# Altium PCB PCB1.PcbDoc
Units mm, origin at the board's own origin, x right, y up, seen from the top; angles counter-clockwise.
Board outline 84 x 84 mm, 2 copper layers (Top Layer, Bottom Layer); 103 components, 81 nets, 322 pads, 64 vias.
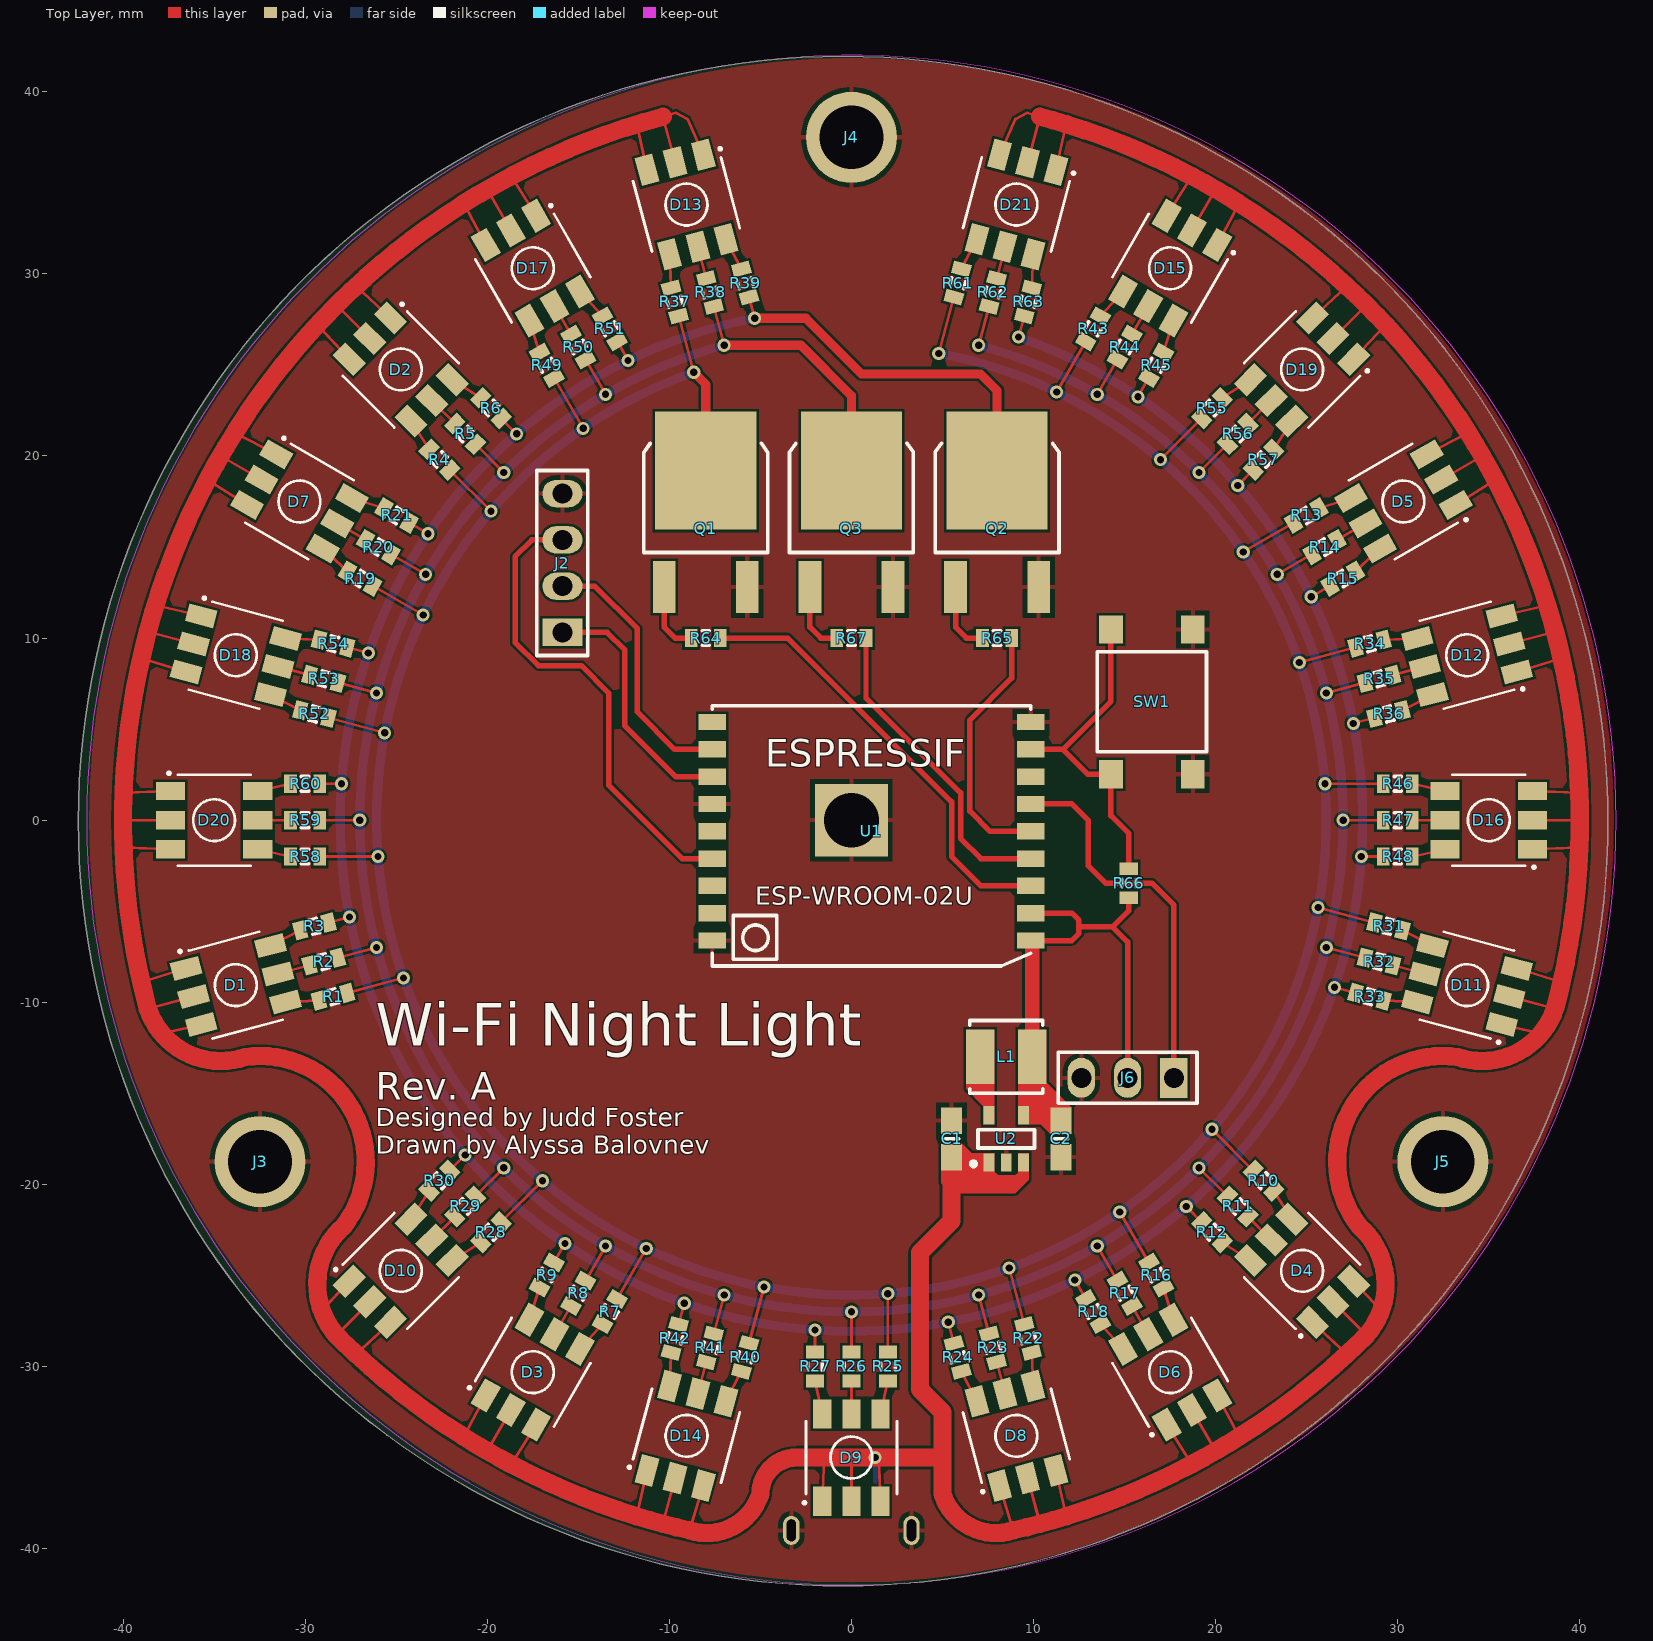
[diagram p0: Top Layer view]
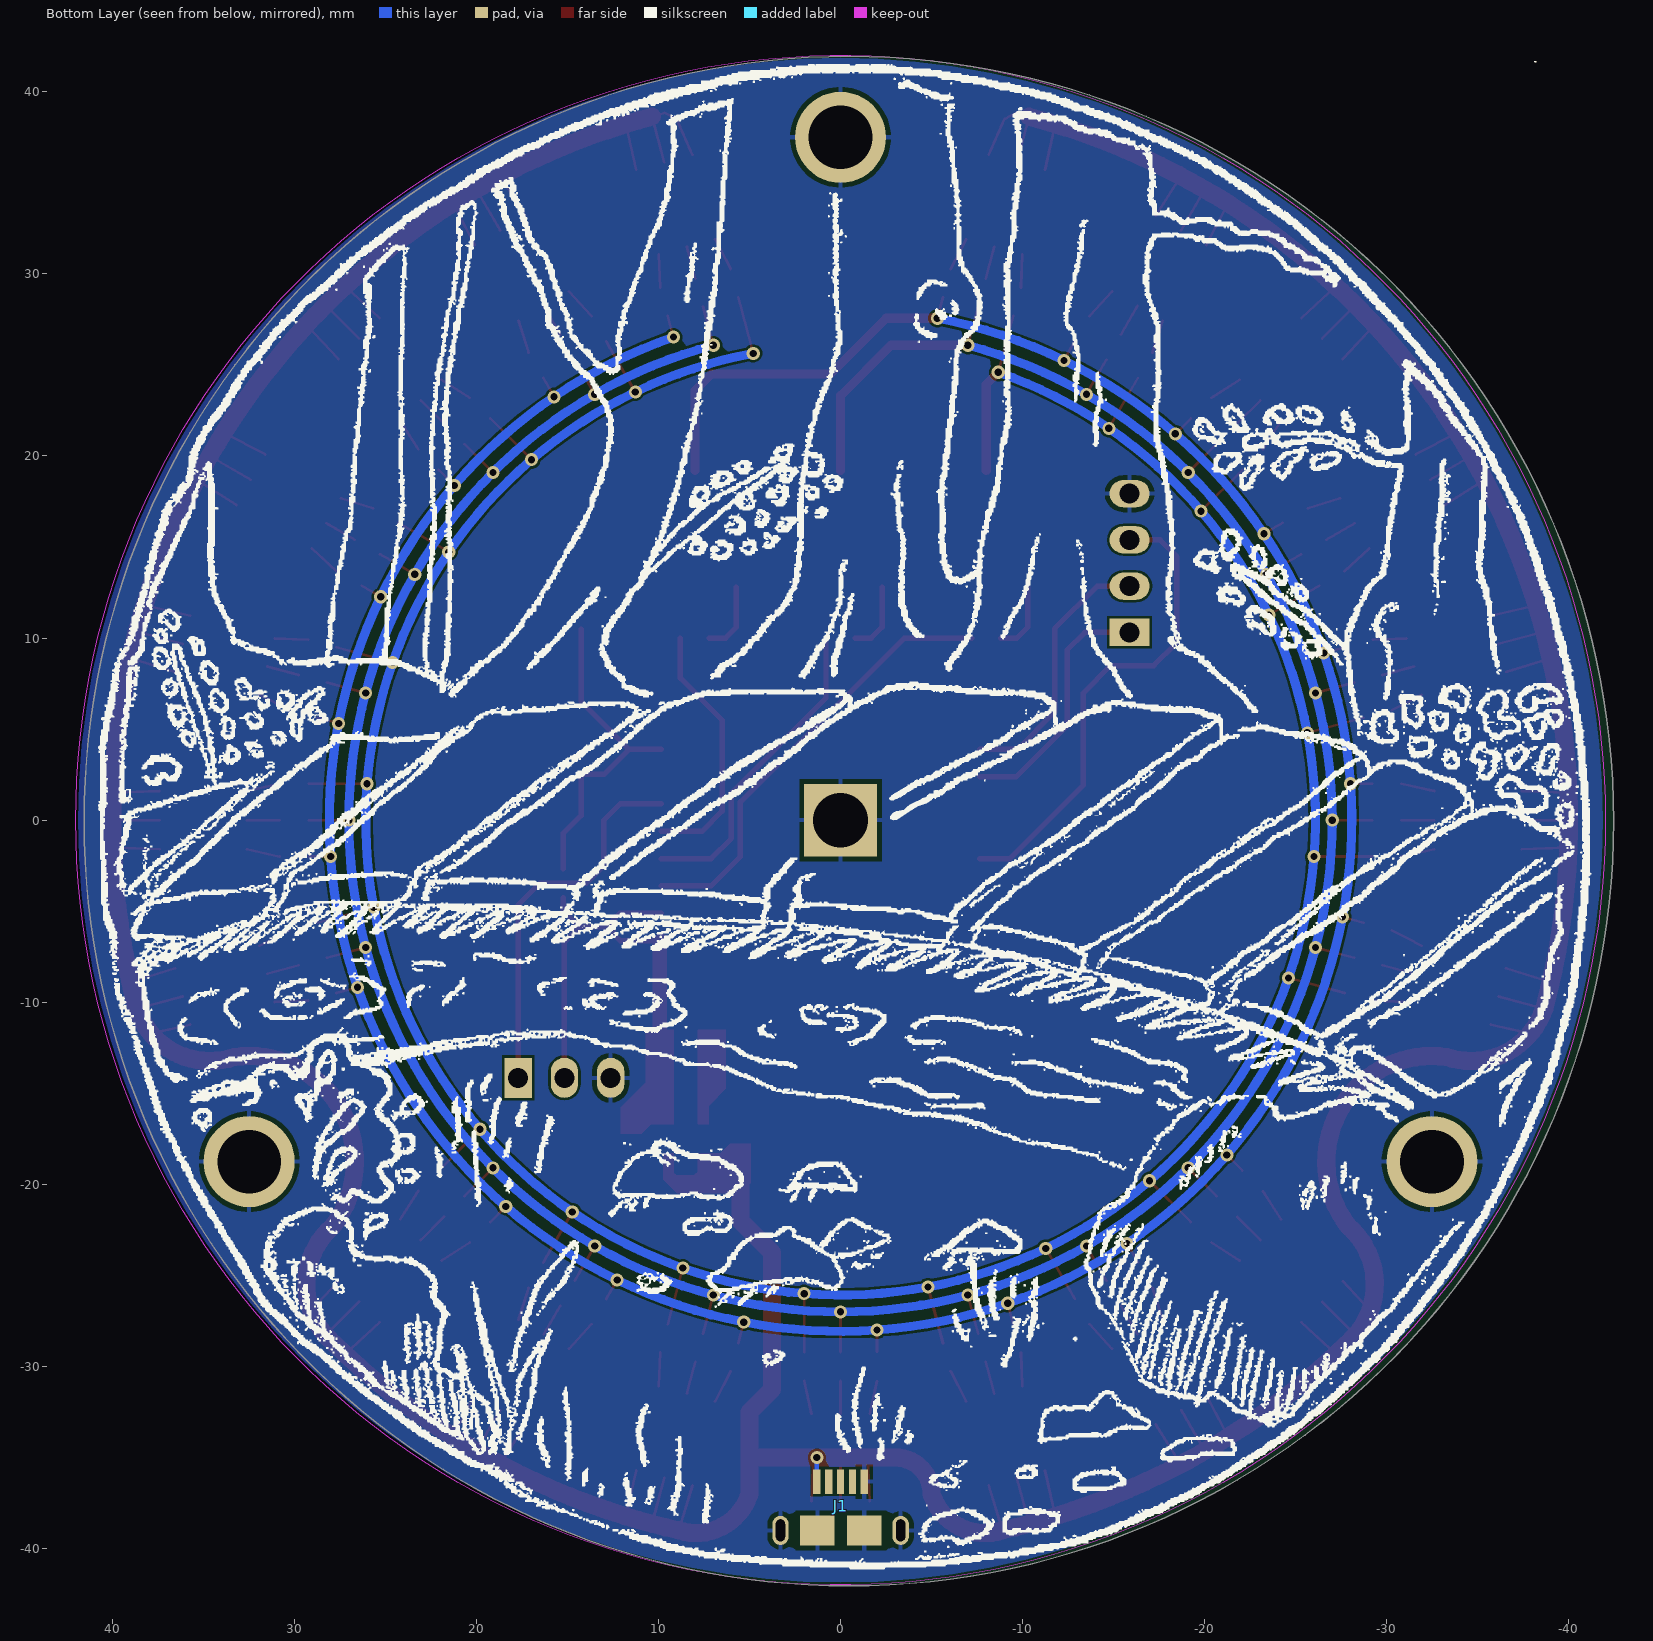
[diagram p1: Bottom Layer view, seen from below]
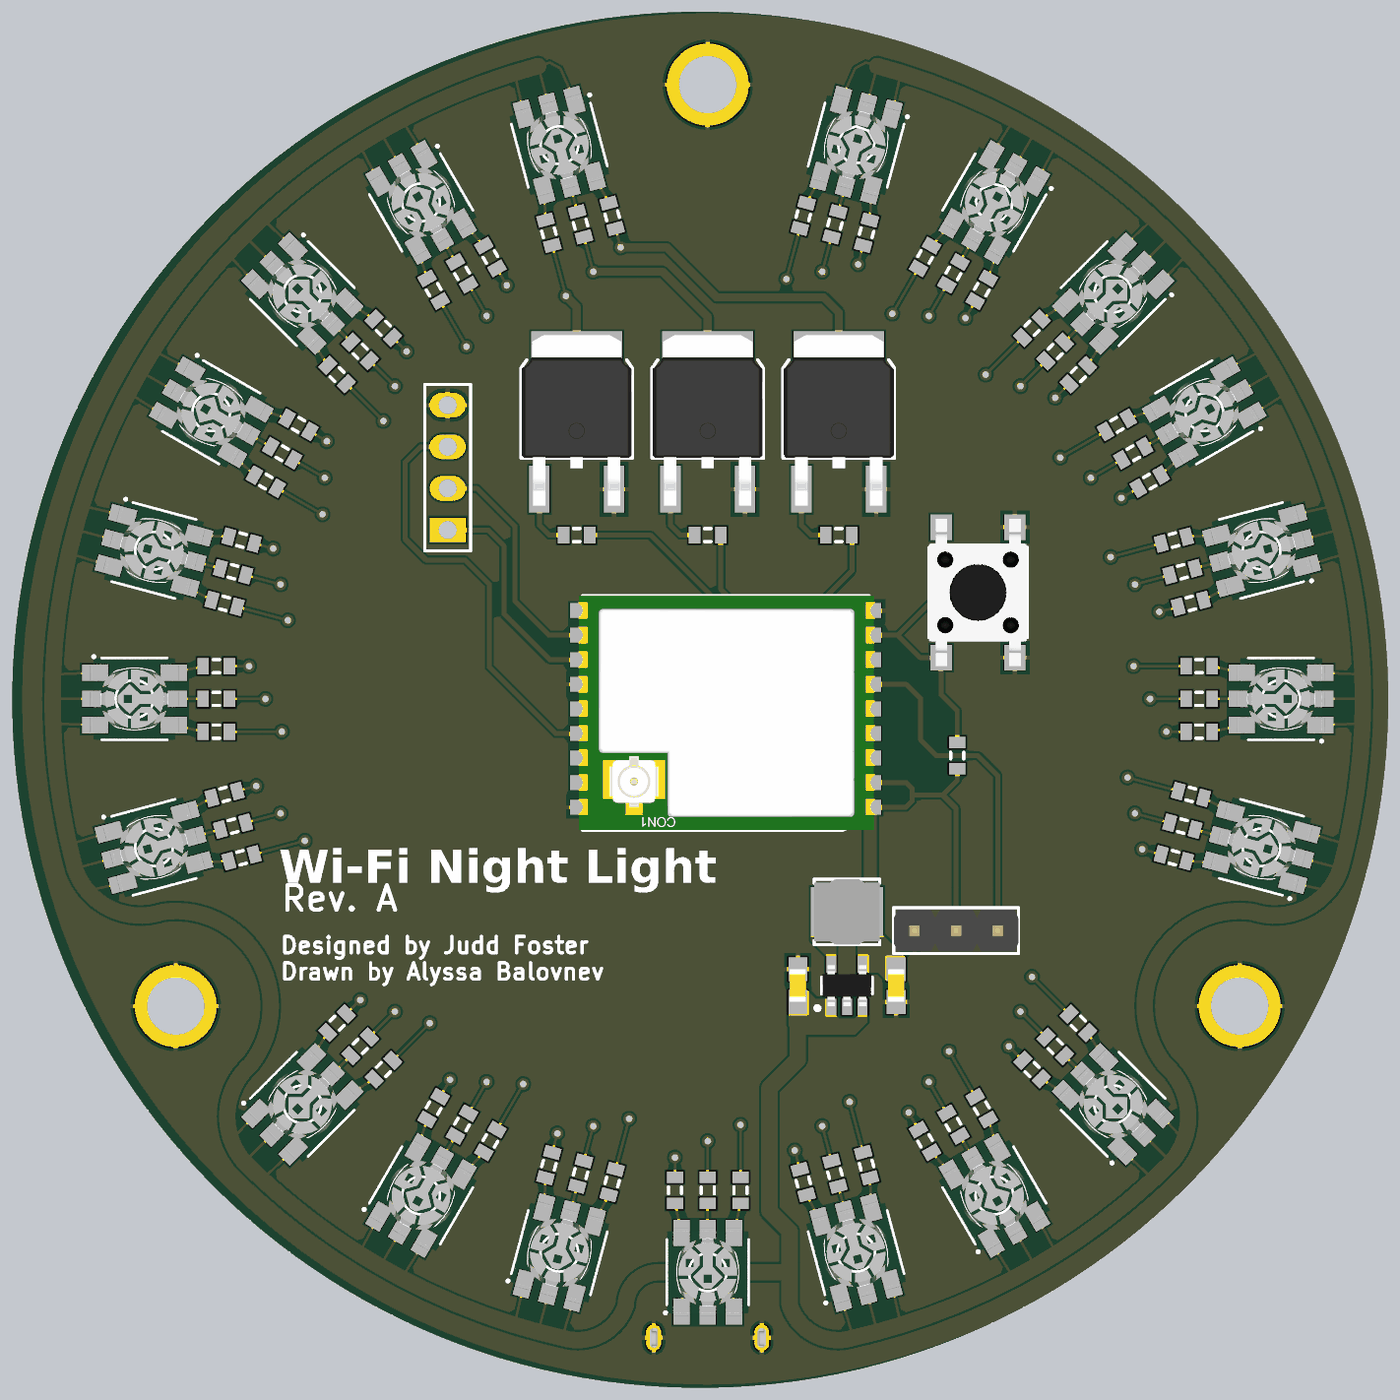
[diagram p2: 3D render of the assembled board from above, using the file's embedded part models]

## Layer stack, top to bottom
Top Solder: solder mask 0.0102, Solder Resist, Dk 3.5
Top Layer: signal copper 0.0356
Dielectric 1: dielectric 0.32, FR-4, Dk 4.8
Bottom Layer: signal copper 0.0356
Bottom Solder: solder mask 0.0102, Solder Resist, Dk 3.5

## Board outline
41.543,-0.051 cw(c-0.457,-0.051) -0.457,-42.051 cw(c-0.457,-0.051) -42.457,-0.051 cw(c-0.457,-0.051) -0.457,41.949 cw(c-0.457,-0.051)

## Design rules (kind name [scope] priority, off if disabled: settings)
Clearance [All] p1: gap=0.127 ignorepadtopadclearanceinfootprint=FALSE except(0: Arc-Hole Track-Hole SMDPad-Hole THPad-Hole Via-Hole Fill-Hole Poly-Hole Region-Hole Text-Hole)
HoleSize [All] p1: absolutevalues=TRUE maxlimit=6.3 minlimit=0.025 maxpercent=80.000 minpercent=20.000
MinimumSolderMaskSliver [All] p1: minsoldermaskwidth=0
PolygonConnect [All] p1: connectstyle=Relief reliefconductorwidth=0.254 reliefentries=4 polygonreliefangle="90 Angle" airgapwidth=0.254
RoutingVias [All] p1: holewidth=0.4 width=0.72 viastyle="Through Hole" minholewidth=0.2 minwidth=0.36 maxholewidth=6.3 maxwidth=10
SilkToSolderMaskClearance [IsPad] p1: minsilkscreentomaskgap=0.001 clearancetoexposedcopper=TRUE
SolderMaskExpansion [All] p1: expansion=0.102 istentingtop=FALSE
Width [All] p1: maxlimit=10 minlimit=0.127 preferedwidth=0.254
27 further rules are at their usual default settings.

## Components (designator, comment, footprint, x,y, rotation, side; value= is the part's Value field where it differs from the comment)
C1 "4.7uF" Cap,SMD,0805 5.5,-17.5 r270 top
C2 "10uF" Cap,SMD,0805 11.5,-17.5 r90 top
D1 "MHP5050RGBDT" LED,RGB,SMD,5050 -33.807,-9.059 r15 top locked
D2 "MHP5050RGBDT" LED,RGB,SMD,5050 -24.749,24.749 r315 top
D3 "MHP5050RGBDT" LED,RGB,SMD,5050 -17.5,-30.311 r60 top locked
D4 "MHP5050RGBDT" LED,RGB,SMD,5050 24.749,-24.749 r135 top
D5 "MHP5050RGBDT" LED,RGB,SMD,5050 30.311,17.5 r210 top locked
D6 "MHP5050RGBDT" LED,RGB,SMD,5050 17.5,-30.311 r120 top
D7 "MHP5050RGBDT" LED,RGB,SMD,5050 -30.311,17.5 r330 top locked
D8 "MHP5050RGBDT" LED,RGB,SMD,5050 9.059,-33.807 r105 top locked
D9 "MHP5050RGBDT" LED,RGB,SMD,5050 0,-35 r90 top
D10 "MHP5050RGBDT" LED,RGB,SMD,5050 -24.749,-24.749 r45 top locked
D11 "MHP5050RGBDT" LED,RGB,SMD,5050 33.807,-9.059 r165 top
D12 "MHP5050RGBDT" LED,RGB,SMD,5050 33.807,9.059 r195 top locked
D13 "MHP5050RGBDT" LED,RGB,SMD,5050 -9.059,33.807 r285 top
D14 "MHP5050RGBDT" LED,RGB,SMD,5050 -9.059,-33.807 r75 top locked
D15 "MHP5050RGBDT" LED,RGB,SMD,5050 17.5,30.311 r240 top
D16 "MHP5050RGBDT" LED,RGB,SMD,5050 35,0 r180 top locked
D17 "MHP5050RGBDT" LED,RGB,SMD,5050 -17.5,30.311 r300 top
D18 "MHP5050RGBDT" LED,RGB,SMD,5050 -33.807,9.059 r345 top
D19 "MHP5050RGBDT" LED,RGB,SMD,5050 24.749,24.749 r225 top
D20 "MHP5050RGBDT" LED,RGB,SMD,5050 -35,0 r0 top
D21 "MHP5050RGBDT" LED,RGB,SMD,5050 9.059,33.807 r255 top locked
J1 "USB" Conn,USB,MicroB,SMD 0,-39 r180 bottom
J2 "Term,Header,4 Pin,Top,2.54mm" Term,Header,4Pin,2.54mm -15.875,12.852 r90 top
J3 "Plated M3 hole" HOLE,M3,3mm,PLATED -32.476,-18.75 r0 top
J4 "Plated M3 hole" HOLE,M3,3mm,PLATED 0,37.5 r0 top
J5 "Plated M3 hole" HOLE,M3,3mm,PLATED 32.476,-18.75 r0 top
J6 "Term,Header,3 Pin,Top,2.54mm" Term,Header,3Pin,2.54mm 15.164,-14.148 r180 top
L1 "10uH" IND,Wirewound,4x4,SMD 8.5,-13 r0 top
Q1 "NTD5865NLT4G" "DPAK3 (TO-252 3 Lead)" -8,16 r0 top
Q2 "NTD5865NLT4G" "DPAK3 (TO-252 3 Lead)" 8,16 r0 top
Q3 "NTD5865NLT4G" "DPAK3 (TO-252 3 Lead)" 0,16 r0 top
R1 "150R" RES,0603 -28.46,-9.696 r15 top
R2 "110R" RES,0603 -28.978,-7.765 r15 top
R3 "110R" RES,0603 -29.495,-5.833 r15 top
R4 "150R" RES,0603 -22.627,19.799 r315 top
R5 "110R" RES,0603 -21.213,21.213 r315 top
R6 "110R" RES,0603 -19.799,22.627 r315 top
R7 "150R" RES,0603 -13.268,-26.981 r60 top
R8 "110R" RES,0603 -15,-25.981 r60 top
R9 "110R" RES,0603 -16.732,-24.981 r60 top
R10 "150R" RES,0603 22.627,-19.799 r135 top
R11 "110R" RES,0603 21.213,-21.213 r135 top
R12 "110R" RES,0603 19.799,-22.627 r135 top
R13 "150R" RES,0603 24.981,16.732 r210 top
R14 "110R" RES,0603 25.981,15 r210 top
R15 "110R" RES,0603 26.981,13.268 r210 top
R16 "150R" RES,0603 16.732,-24.981 r120 top
R17 "110R" RES,0603 15,-25.981 r120 top
R18 "110R" RES,0603 13.268,-26.981 r120 top
R19 "150R" RES,0603 -26.981,13.268 r330 top
R20 "110R" RES,0603 -25.981,15 r330 top
R21 "110R" RES,0603 -24.981,16.732 r330 top
R22 "150R" RES,0603 9.696,-28.46 r105 top
R23 "110R" RES,0603 7.765,-28.978 r105 top
R24 "110R" RES,0603 5.833,-29.495 r105 top
R25 "150R" RES,0603 2,-30 r90 top
R26 "110R" RES,0603 0,-30 r90 top
R27 "110R" RES,0603 -2,-30 r90 top
R28 "150R" RES,0603 -19.799,-22.627 r45 top
R29 "110R" RES,0603 -21.213,-21.213 r45 top
R30 "110R" RES,0603 -22.627,-19.799 r45 top
R31 "150R" RES,0603 29.495,-5.833 r165 top
R32 "110R" RES,0603 28.978,-7.765 r165 top
R33 "110R" RES,0603 28.46,-9.696 r165 top
R34 "150R" RES,0603 28.46,9.696 r195 top
R35 "110R" RES,0603 28.978,7.765 r195 top
R36 "110R" RES,0603 29.495,5.833 r195 top
R37 "150R" RES,0603 -9.696,28.46 r285 top
R38 "110R" RES,0603 -7.765,28.978 r285 top
R39 "110R" RES,0603 -5.833,29.495 r285 top
R40 "150R" RES,0603 -5.833,-29.495 r75 top
R41 "110R" RES,0603 -7.765,-28.978 r75 top
R42 "110R" RES,0603 -9.696,-28.46 r75 top
R43 "150R" RES,0603 13.268,26.981 r240 top
R44 "110R" RES,0603 15,25.981 r240 top
R45 "110R" RES,0603 16.732,24.981 r240 top
R46 "150R" RES,0603 30,2 r180 top
R47 "110R" RES,0603 30,0 r180 top
R48 "110R" RES,0603 30,-2 r180 top
R49 "150R" RES,0603 -16.732,24.981 r300 top
R50 "110R" RES,0603 -15,25.981 r300 top
R51 "110R" RES,0603 -13.268,26.981 r300 top
R52 "150R" RES,0603 -29.495,5.833 r345 top
R53 "110R" RES,0603 -28.978,7.765 r345 top
R54 "110R" RES,0603 -28.46,9.696 r345 top
R55 "150R" RES,0603 19.799,22.627 r225 top
R56 "110R" RES,0603 21.213,21.213 r225 top
R57 "110R" RES,0603 22.627,19.799 r225 top
R58 "150R" RES,0603 -30,-2 r0 top
R59 "110R" RES,0603 -30,0 r0 top
R60 "110R" RES,0603 -30,2 r0 top
R61 "150R" RES,0603 5.833,29.495 r255 top
R62 "110R" RES,0603 7.765,28.978 r255 top
R63 "110R" RES,0603 9.696,28.46 r255 top
R64 "1k" RES,0603 -8,10 r180 top
R65 "1k" RES,0603 8,10 r180 top
R66 "10k" RES,0603 15.23,-3.46 r270 top
R67 "1k" RES,0603 0,10 r180 top
SW1 "Switch" Switch,Tactile,SPST-NO,SMD 16.5,6.5 r90 top
U1 "ESP32-WROOM-2U" ESP32-WROOM-02U 0,0 r180 top
U2 "TPS62203DBVR" SOT23-5 8.5,-17.5 r90 top

## Footprints (in the part's own frame and the unit in brackets; to place one, negate y for a bottom-side part, rotate by r counter-clockwise, add the part's x,y. Pads: shape width x height; smd on the part's side, far side on the other; paste and mask are expansions set on the pad)
Cap,SMD,0805 [mm] "KEMET C0805C102K5RACTU"
  rect 1.45x1.15 smd: 1(-1,0) 2(1,0)
  silkscreen extent 0,-0.38 0,0.38, body extent -1,-0.5 1,0.5, height 1.2
Conn,USB,MicroB,SMD [mm] "Amphenol ICC 10118193-0001LF"
  rrect100% 0.9x1.6 hole 1.2 slot 0.5 at 0 deg: 0(-3.3,0) 0(3.3,0)
  rect 1.9x1.651 smd: 0(-1.27,0) 0(1.3,0)
  rect 0.4x1.35 smd: 1(-1.3,2.675) 2(-0.65,2.675) 3(0,2.675) 4(0.65,2.675) 5(1.3,2.675)
  body extent -3.94,-2.82 3.92,2.84, height 2.88
"DPAK3 (TO-252 3 Lead)" [mm] "ON Semiconductor FDD9510L-F085"
  rect 1.25x2.85 smd mask+0.05: 1(-2.28,-3.2) 3(2.28,-3.2)
  rect 5.55x6.5 smd mask+0.05: 4(0,3.2)
  silkscreen extent -3.4,-1.3 3.4,4.7, body extent -3.36,-4.21 3.36,6.21, height 2.39
ESP32-WROOM-02U [mm] "Espressif Systems ESP-WROOM-02U (4MB)"
  rect 1.5x0.9 smd mask+0.05: 1(-9.85,6.61) 2(-9.85,5.11) 3(-9.85,3.61) 4(-9.85,2.11) 5(-9.85,0.61) 6(-9.85,-0.89) 7(-9.85,-2.39) 8(-9.85,-3.89) 9(-9.85,-5.39) 10(7.65,-5.39) 11(7.65,-3.89) 12(7.65,-2.39) 13(7.65,-0.89) 14(7.65,0.61) 15(7.65,2.11) 16(7.65,3.61) 17(7.65,5.11) 18(7.65,6.61)
  rect 4x4 hole 3 mask+0.05: 19(0,0)
  silkscreen extent -9.85,-6.29 7.65,8.01, body extent -10.18,-6.3 7.89,8, height 3.28
HOLE,M3,3mm,PLATED [mm] "Plated M3 Bolt Hole"
  round 5 hole 3.5: 0(0,0)
IND,Wirewound,4x4,SMD [mm] "Murata LQH44PN100MP0L"
  rect 1.55x3 smd mask+0.05: 1(-1.425,0) 2(1.425,0)
  silkscreen extent -2,-2 2,2, body extent -2,-2 2,2, height 1.65
LED,RGB,SMD,5050 [mm] "MeiHua MHP5050RGBDT"
  rect 1.6x1 smd mask+0.05: 1(-2.4,1.6) 2(2.4,1.6) 3(-2.4,0) 4(2.4,0) 5(-2.4,-1.6) 6(2.4,-1.6)
  silkscreen extent -2.56,-2.5 2,2.66, body extent -2.7,-2.5 2.7,2.5, height 1.62
RES,0603 [mm] "Yageo RC0603FR-0710KL"
  rect 0.7x1 smd: 1(-0.8,0) 2(0.8,0)
  silkscreen extent -0.2,-0.4 0.2,0.4, body extent -0.8,-0.4 0.8,0.4, height 0.45
SOT23-5 [mm] "Texas Instruments TPS62203DBVR"
  rect 1x0.6 smd: 1(-1.3,0.95) 2(-1.3,0) 3(-1.3,-0.95) 4(1.3,-0.95) 5(1.3,0.95)
  silkscreen extent -1.5,-1.55 0.5,1.92, body extent -1.25,-1.5 1.25,1.5, height 1.11
Switch,Tactile,SPST-NO,SMD [mm] "C&K PTS645SK43SMTR92 LFS"
  rect 1.55x1.3 smd mask+0.05: 1(-3.975,2.25) 2(3.975,2.25) 3(-3.975,-2.25) 4(3.975,-2.25)
  silkscreen extent -2.75,-3 2.75,3, body extent -4.5,-3 4.5,3, height 4.3
Term,Header,3Pin,2.54mm [mm] "Würth Elektronik 61300311121"
  rect 1.5x2.2 hole 1.1 mask+0.05: 1(-2.54,0)
  oval 1.5x2.2 hole 1.1 mask+0.05: 2(0,0) 3(2.54,0)
  silkscreen extent -3.81,-1.4 3.81,1.4, body extent -3.81,-1.27 3.81,1.27, height 8.57
Term,Header,4Pin,2.54mm [mm] "Amphenol ICC 10082627-404HLF"
  rect 1.5x2.2 hole 1.1 mask+0.05: 1(-2.54,0)
  oval 1.5x2.2 hole 1.1 mask+0.05: 2(0,0) 3(2.54,0) 4(5.08,0)
  silkscreen extent -3.81,-1.4 6.35,1.4

## Part data
C1: library part CAP,Cer,4.7uF,16VDC,X7R,0805, "4.7µF ±10% 16V Ceramic Capacitor X7R 0805 (2012 Metric)", Manufacturer=KEMET, Manufacturer Part Number=GRM21BR71C475KE51L, Vendor Part Number=490-14466-1-ND, CreatedBy="Judd Foster", HelpURL=https://search.murata.co.jp/Ceramy/image/img/A01X/G101/ENG/GRM21BR71C475KE51-01.pdf, Vendor=Digikey
C2: library part CAP,Cer,10uF,10VDC,X5R,0805, "CAP CER 10UF 10V X5R 0805", Manufacturer=KEMET, Manufacturer Part Number=C0805C106K8PACTU, Vendor Part Number=399-4925-1-ND, CreatedBy="Judd Foster", HelpURL=https://content.kemet.com/datasheets/KEM_C1006_X5R_SMD.pdf, Vendor=Digikey
D1 D2 D3 D4 D5 D6 D7 D8 D9 D10 D11 D12 D13 D14 D15 D16 D17 D18 D19 D20 D21: library part LED,Tri-Color,RGB,SMD,5050, "SMD,5x5mm Light Emitting Diodes (LED) RoHS", Manufacturer=MEIHUA, Vendor Part Number=C409780, CreatedBy="Judd Foster", HelpURL=https://datasheet.lcsc.com/szlcsc/1912111437_MEIHUA-MHP5050RGBDT_C409780.pdf, Manufacturer Part Number=MHP5050RGBDT, Vendor=LCSC
J1: library part Conn,USB.Micro_B,SMD, "USB - micro B USB 2.0 Receptacle Connector 5 Position Surface Mount, Right Angle; Through Hole", Manufacturer="Amphenol ICC (FCI)", Manufacturer Part Number=10118193-0001LF, Vendor Part Number=609-4616-1-ND, CreatedBy="Judd Foster", HelpURL=https://cdn.amphenol-icc.com/media/wysiwyg/files/documentation/datasheet/inputoutput/io_usb_micro.pdf, Vendor=Digikey
J2: "Connector Header Through Hole 4 position 0.100\" (2.54mm)", Manufacturer="Amphenol ICC (FCI)", Manufacturer Part Number=10082627-404HLF, Vendor Part Number=609-10082627-404HLF-ND, Created By="Judd Foster", HelpURL=https://cdn.amphenol-icc.com/media/wysiwyg/files/drawing/10082627.pdf, Vendor=Digikey
J3 J4 J5: library part Mech,Hole,M3,3mm,Plated, "3.5mm Drill, 7.4mm Pad, PTH", Manufacturer=N/A, CreatedBy="Judd Foster", HelpURL=N/A, Manufacturer Part Number=N/A, Vendor=N/A, Vendor Part Number=N/A
J6: "CONN HEADER VERT 3POS 2.54MM", Manufacturer="Würth Elektronik", Manufacturer Part Number=61300311121, Vendor Part Number=732-5316-ND, Created By="Judd Foster", HelpURL=https://katalog.we-online.de/em/datasheet/6130xx11121.pdf, Vendor=Digikey
L1: library part IND,10uH,1.17A,Wirewound,SMD, "FIXED IND 10UH 1.17A 160 MOHM", Manufacturer="Murata Electronics", Manufacturer Part Number=LQH44PN100MP0L, Vendor Part Number=‎490-5330-1-ND‎, CreatedBy="Judd Foster", HelpURL=https://search.murata.co.jp/Ceramy/image/img/P02/JELF243A-0069.pdf, Vendor=Digikey
Q1 Q2 Q3: library part "MOSFET,N Ch,60V,46A", "MOSFET N-CH 60V 46A DPAK", Manufacturer="ON Semiconductor", Vendor Part Number=NTD5865NLT4GOSCT-ND, CreatedBy="Judd Foster", HelpURL=https://www.onsemi.com/pub/Collateral/NTD5865NL-D.PDF, Manufacturer Part Number=NTD5865NLT4G, Vendor=Digikey
R1 R4 R7 R10 R13 R16 R19 R22 R25 R28 R31 R34 R37 R40 R43 R46 R49 R52 R55 R58 R61: library part RES,150R,1%,0.1W,0603, "150 Ohms ±1% 0.1W, 1/10W Chip Resistor 0603 (1608 Metric) Automotive AEC-Q200, Moisture Resistant Thick Film", Manufacturer="TE Connectivity Passive Product", Manufacturer Part Number=CRGCQ0603F150R, Vendor Part Number=A129678CT-ND, CreatedBy="Judd Foster", HelpURL=https://www.te.com/commerce/DocumentDelivery/DDEController?Action=srchrtrv&DocNm=1773204-3&DocType=DS&DocLang=English, Vendor=Digikey
R2 R3 R5 R6 R8 R9 R11 R12 R14 R15 R17 R18 R20 R21 R23 R24 R26 R27 R29 R30 R32 R33 R35 R36 R38 R39 R41 R42 R44 R45 R47 R48 R50 R51 R53 R54 R56 R57 R59 R60 R62 R63: library part RES,110R,1%,0.1W,0603, "110 Ohms ±0.5% 0.063W, 1/16W Chip Resistor 0603 (1608 Metric)  Thin Film", Manufacturer=Susumu, Manufacturer Part Number=RR0816P-111-D, Vendor Part Number=RR08P110DCT-ND, CreatedBy="Judd Foster", HelpURL=https://www.susumu.co.jp/common/pdf/n_catalog_partition05_en.pdf, Vendor=Digikey
R64 R65 R67: library part RES,1k,1%,0.1W,0603, "RES SMD 1K OHM 1% 1/10W 0603", Manufacturer=Yageo, Manufacturer Part Number=RC0603FR-071KL, Vendor Part Number=311-1.00KHRCT-ND, CreatedBy="Judd Foster", HelpURL=https://www.yageo.com/upload/media/product/productsearch/datasheet/rchip/PYu-RC_Group_51_RoHS_L_10.pdf, Vendor=Digikey
R66: library part RES,10k,1%,0.1W,0603, "RES SMD 10K OHM 1% 1/10W 0603", Manufacturer=Yageo, Manufacturer Part Number=RC0603FR-0710KL, Vendor Part Number=311-10.0KHRCT-ND, CreatedBy="Judd Foster", HelpURL=https://www.yageo.com/upload/media/product/productsearch/datasheet/rchip/PYu-RC_Group_51_RoHS_L_10.pdf, Vendor=Digikey
SW1: library part Switch,Tactile,SPST-NO,SMD,H4.3, "Tactile Switch SPST-NO Top Actuated Surface Mount", Manufacturer=C&K, Manufacturer Part Number="PTS645SK43SMTR92 LFS", Vendor Part Number=CKN9084CT-ND, CreatedBy="Judd Foster", HelpURL=https://dznh3ojzb2azq.cloudfront.net/products/Tactile/PTS645/documents/datasheet.pdf, Vendor=Digikey
U1: "WiFi 802.11b/g/n Transceiver Module 2.4GHz ~ 2.5GHz Integrated, Chip + IPEX Surface Mount", Manufacturer="Espressif Systems", Manufacturer Part Number="ESP-WROOM-02U (4MB)", Vendor Part Number=1965-ESP-WROOM-02U(4MB)CT-ND, CreatedBy="Judd Foster", HelpURL=https://www.espressif.com/sites/default/files/documentation/esp-wroom-02u_esp-wroom-02d_datasheet_en.pdf, Vendor=Digikey
U2: "IC REG BUCK 3.3V 300MA SOT23-5", Manufacturer="Texas Instruments", Vendor Part Number=296-39452-1-ND, CreatedBy="Judd Foster", HelpURL=http://www.ti.com/lit/ds/symlink/tps62203.pdf, Manufacturer Part Number=TPS62203DBVR, Vendor=Digikey

## Via types
v1: diameter 0.72, hole 0.4, Top Layer to Bottom Layer, tented both sides, 64 vias

## Nets (pads, with @x,y where several pads share a name; then routed paths per layer and width w, separated by ;. In a path a pad name is that pad's centre, name@x,y a point inside that pad or via, vN(x,y) a via of type N, cw(c..) or ccw(c..) an arc to the next point about the centre after c; other vN are vias at no path point)
3V3: C2.2 J6.2 L1.2 R66.2 U1.1 U1.2 U2.4 | length 25.2
  Top Layer w0.3: U1.1 12.108,-6.61 12.483,-6.234 12.483,-5.86 ; U1.2 12.11,-5.11 12.484,-5.484 12.483,-5.486 12.483,-5.86 ; J6.2 15.164,-6.686 14.338,-5.86 ; R66.2 15.23,-4.968 14.338,-5.86 ; 12.483,-5.86 14.338,-5.86
  Top Layer w0.8: U1.1 9.925,-6.685 L1.2
5V: C1.2 D1.1 D1.3 D1.5 D2.1 D2.3 D2.5 D3.1 D3.3 D3.5 D4.1 D4.3 D4.5 D5.1 D5.3 D5.5 D6.1 D6.3 D6.5 D7.1 D7.3 D7.5 D8.1 D8.3 D8.5 D9.1 D9.3 D9.5 D10.1 D10.3 D10.5 D11.1 D11.3 D11.5 D12.1 D12.3 D12.5 D13.1 D13.3 D13.5 D14.1 D14.3 D14.5 D15.1 D15.3 D15.5 D16.1 D16.3 D16.5 D17.1 D17.3 D17.5 D18.1 D18.3 D18.5 D19.1 D19.3 D19.5 D20.1 D20.3 D20.5 D21.1 D21.3 D21.5 J1.1 U2.1 U2.3 | length 431.5
  Top Layer w0.15: -40,-1.5 -39.972,-1.501 D20.5 ; -40,0 D20.3 ; -40,1.5 -39.972,1.501 D20.1 ; -39.025,-8.904 -38.998,-8.896 D1.1 ; -39.025,8.904 -38.998,8.896 D18.5 ; -38.637,-10.353 D1.3 ; -38.637,10.353 D18.3 ; -38.249,-11.802 -37.87,-11.716 D1.5 ; -38.249,11.802 -38.221,11.795 D18.1 ; -35.391,18.701 -35.367,18.686 D7.5 ; -34.641,20 D7.3 ; -33.891,21.299 -33.866,21.286 D7.1 ; -29.345,-27.224 -29.081,-26.938 D10.1 ; -29.345,27.224 -29.326,27.203 D2.5 ; -28.284,-28.284 D10.3 ; -28.284,28.284 D2.3 ; -27.224,29.345 -27.203,29.326 D2.1 ; -27.203,-29.326 D10.5 ; -21.299,33.891 -21.286,33.866 D17.5 ; -21.286,-33.866 D3.1 ; -20,-34.641 D3.3 ; -20,34.641 D17.3 ; -18.701,35.391 -18.686,35.367 D17.1 ; -18.686,-35.367 D3.5 ; -11.802,38.249 -11.795,38.221 D13.5 ; -11.795,-38.221 D14.1 ; -10.353,-38.637 D14.3 ; D13.3 -10.353,38.637 -9.65,38.85 -9,38.5 D13.1 ; -8.896,-38.998 D14.5 ; D9.1 -1.5,-35 ; D9.3 0,-35 ; v1@1.5,-35 D9.5 ; D8.1 8.896,-38.998 ; D21.5 9,38.5 9.65,38.85 10.353,38.637 D21.3 ; D8.3 10.353,-38.637 ; D8.5 11.795,-38.221 ; D21.1 11.795,38.221 11.802,38.249 ; D6.1 18.686,-35.367 ; D15.5 18.686,35.367 18.701,35.391 ; D6.3 20,-34.641 ; D15.3 20,34.641 ; D6.5 21.286,-33.866 ; D15.1 21.286,33.866 21.299,33.891 ; D4.1 27.203,-29.326 ; D19.5 27.203,29.326 27.224,29.345 ; D4.3 28.284,-28.284 ; D19.3 28.284,28.284 ; D4.5 29.081,-26.938 29.326,-27.203 ; D19.1 29.326,27.203 29.345,27.224 ; D5.5 33.866,21.286 33.891,21.299 ; D5.3 34.641,20 ; D5.1 35.367,18.686 35.391,18.701 ; D11.1 37.87,-11.716 38.221,-11.795 ; D12.5 38.221,11.795 38.249,11.802 ; D11.3 38.637,-10.353 ; D12.3 38.637,10.353 ; D11.5 38.998,-8.896 39.025,-8.904 ; D12.1 38.998,8.896 39.025,8.904 ; D16.1 39.972,-1.501 40,-1.5 ; D16.3 40,0 ; D16.5 39.972,1.501 40,1.5
  Top Layer w1: -10.353,38.637 ccw(c0,0) -38.637,-10.353 ccw(c-34.627,-8.992) -33.266,-13.002 cw(c-32.476,-18.75) -27.893,-22.308 ccw(c-25.1,-25.492) -28.284,-28.284 ccw(c0,0) -27.203,-29.326 ccw(c0,0) -21.286,-33.866 ccw(c0,0) -20,-34.641 ccw(c0,0) -18.686,-35.367 ccw(c0,0) -11.795,-38.221 ccw(c0,0) -10.353,-38.637 ccw(c0,0) -8.896,-38.998 ccw(c-7.947,-36.051) -5,-37 cw(c-3,-37) -4.904,-36.387 cw(c-3,-37) -3,-35 -1.5,-35 0,-35 v1(1.3,-35) 1.5,-35 5,-35 ; C1.2 5.5,-22.018 3.765,-23.753 3.765,-31.265 5,-32.5 5,-35 ; 10.353,38.637 cw(c0,0) 11.795,38.221 cw(c0,0) 18.686,35.367 cw(c0,0) 20,34.641 cw(c0,0) 21.286,33.866 cw(c0,0) 27.203,29.326 cw(c0,0) 28.284,28.284 cw(c0,0) 29.326,27.203 cw(c0,0) 33.866,21.286 cw(c0,0) 34.641,20 cw(c0,0) 35.367,18.686 cw(c0,0) 38.221,11.795 cw(c0,0) 38.637,10.353 cw(c0,0) 38.998,8.896 cw(c0,0) 39.972,1.501 cw(c0,0) 40,0 cw(c0,0) 39.972,-1.501 cw(c0,0) 38.998,-8.896 cw(c0,0) 38.637,-10.353 cw(c34.626,-8.992) 33.266,-13.002 ccw(c32.476,-18.75) 27.893,-22.308 cw(c25.1,-25.492) 28.284,-28.284 cw(c0,0) 27.203,-29.326 cw(c0,0) 21.286,-33.866 cw(c0,0) 20,-34.641 cw(c0,0) 18.686,-35.367 cw(c0,0) 11.795,-38.221 cw(c0,0) 10.353,-38.637 cw(c0,0) 8.896,-38.998 cw(c7.947,-36.051) 5,-37 5,-35
  Bottom Layer w0.254: J1.1 v1(1.3,-35)
GND: C1.1 C2.1 J1.0 J1.5 J2.4 J3.0 J4.0 J5.0 J6.3 Q1.3 Q2.3 Q3.3 SW1.3 SW1.4 U1.9 U1.13 U1.18 U1.19 U2.2
LDR: J6.1 U1.6 | length 21.1
  Top Layer w0.3: U1.6 12.11,0.89 13,0 13,-2.5 13.96,-3.46 16.5,-3.46 17.704,-4.664 J6.1
LED_B: R65.1 U1.5 | length 14.3
  Top Layer w0.3: R65.1 8.8,7.8 6.5,5.5 6.5,0.5 7.61,-0.61 U1.5
LED_BK: Q2.4 R3.2 R6.2 R9.2 R12.2 R15.2 R18.2 R21.2 R24.2 R27.2 R30.2 R33.2 R36.2 R39.2 R42.2 R45.2 R48.2 R51.2 R54.2 R57.2 R60.2 R63.2 | length 206.2
  Top Layer w0.15: R60.2 v1(-28,2) ; R3.2 v1(-27.564,-5.315) ; R54.2 v1(-26.528,9.179) ; R21.2 v1(-23.249,15.732) ; R30.2 v1(-21.213,-18.385) ; R6.2 v1(-18.385,21.213) ; R9.2 v1(-15.732,-23.249) ; R51.2 v1(-12.268,25.249) ; R42.2 v1(-9.179,-26.528) ; R39.2 v1(-5.315,27.564) ; R27.2 v1(-2,-28) ; v1(5.315,-27.564) R24.2 ; v1(9.179,26.528) R63.2 ; v1(12.268,-25.249) R18.2 ; v1(15.732,23.249) R45.2 ; v1(18.385,-21.213) R12.2 ; v1(21.213,18.385) R57.2 ; v1(25.249,12.268) R15.2 ; v1(26.528,-9.179) R33.2 ; v1(27.564,5.315) R36.2 ; v1(28,-2) R48.2
  Top Layer w0.5: v1(-5.315,27.564) -2.502,27.564 0.549,24.513 7.08,24.513 8,23.593 Q2.4
  Bottom Layer w0.5: v1(-5.315,27.564) ccw(c0,0) v1(-12.268,25.249) ccw(c0,0) v1(-18.385,21.213) ccw(c0,0) v1(-23.249,15.732) ccw(c0,0) v1(-26.528,9.179) ccw(c0,0) v1(-28,2) ccw(c0,0) v1(-27.564,-5.315) ccw(c0,0) -25.249,-12.268 ccw(c0,0) v1(-21.213,-18.385) ccw(c0,0) v1(-15.732,-23.249) ccw(c0,0) v1(-9.179,-26.528) ccw(c0,0) v1(-2,-28) ccw(c0,0) v1(5.315,-27.564) ccw(c0,0) v1(12.268,-25.249) ccw(c0,0) v1(18.385,-21.213) ccw(c0,0) 23.249,-15.732 ccw(c0,0) v1(26.528,-9.179) ccw(c0,0) v1(28,-2) ccw(c0,0) v1(27.564,5.315) ccw(c0,0) v1(25.249,12.268) ccw(c0,0) v1(21.213,18.385) ccw(c0,0) v1(15.732,23.249) ccw(c0,0) v1(9.179,26.528)
LED_G: R67.1 U1.4 | length 17.5
  Top Layer w0.3: R67.1 0.8,6.7 6,1.5 6,-1 7.11,-2.11 U1.4
LED_GK: Q3.4 R2.2 R5.2 R8.2 R11.2 R14.2 R17.2 R20.2 R23.2 R26.2 R29.2 R32.2 R35.2 R38.2 R41.2 R44.2 R47.2 R50.2 R53.2 R56.2 R59.2 R62.2 | length 214
  Top Layer w0.15: R59.2 v1(-27,0) ; R2.2 v1(-26.08,-6.988) ; R53.2 v1(-26.08,6.988) ; R20.2 v1(-23.383,13.5) ; R29.2 v1(-19.092,-19.092) ; R5.2 v1(-19.092,19.092) ; R8.2 v1(-13.5,-23.383) ; R50.2 v1(-13.5,23.383) ; R41.2 v1(-6.988,-26.08) ; R38.2 v1(-6.988,26.08) ; R26.2 v1(0,-27) ; v1(6.988,-26.08) R23.2 ; v1(6.988,26.08) R62.2 ; v1(13.5,-23.383) R17.2 ; v1(13.5,23.383) R44.2 ; v1(19.092,-19.092) R11.2 ; v1(19.092,19.092) R56.2 ; v1(23.383,13.5) R14.2 ; v1(26.08,-6.988) R32.2 ; v1(26.08,6.988) R35.2 ; v1(27,0) R47.2
  Top Layer w0.5: v1(-6.988,26.08) -2.769,26.08 0,23.311 Q3.4
  Bottom Layer w0.5: v1(-6.988,26.08) ccw(c0,0) v1(-13.5,23.383) ccw(c0,0) v1(-19.092,19.092) ccw(c0,0) v1(-23.383,13.5) ccw(c0,0) v1(-26.08,6.988) ccw(c0,0) v1(-27,0) ccw(c0,0) v1(-26.08,-6.988) ccw(c0,0) -23.383,-13.5 ccw(c0,0) v1(-19.092,-19.092) ccw(c0,0) v1(-13.5,-23.383) ccw(c0,0) v1(-6.988,-26.08) ccw(c0,0) v1(0,-27) ccw(c0,0) v1(6.988,-26.08) ccw(c0,0) v1(13.5,-23.383) ccw(c0,0) v1(19.092,-19.092) ccw(c0,0) 23.383,-13.5 ccw(c0,0) v1(26.08,-6.988) ccw(c0,0) v1(27,0) ccw(c0,0) v1(26.08,6.988) ccw(c0,0) v1(23.383,13.5) ccw(c0,0) v1(19.092,19.092) ccw(c0,0) v1(13.5,23.383) ccw(c0,0) v1(6.988,26.08)
LED_R: R64.1 U1.3 | length 24.4
  Top Layer w0.3: R64.1 -3.5,10 1,5.5 5.5,1 5.5,-2 7.11,-3.61 U1.3
LED_RK: Q1.4 R1.2 R4.2 R7.2 R10.2 R13.2 R16.2 R19.2 R22.2 R25.2 R28.2 R31.2 R34.2 R37.2 R40.2 R43.2 R46.2 R49.2 R52.2 R55.2 R58.2 R61.2 | length 223.1
  Top Layer w0.15: R58.2 v1(-26,-2) ; R52.2 v1(-25.632,4.797) ; R1.2 v1(-24.596,-8.661) ; R19.2 v1(-23.517,11.268) ; R4.2 v1(-19.799,16.971) ; R28.2 v1(-16.971,-19.799) ; R49.2 v1(-14.732,21.517) ; R7.2 v1(-11.268,-23.517) ; R37.2 v1(-8.661,24.596) ; R40.2 v1(-4.797,-25.632) ; R25.2 v1(2,-26) ; v1(4.797,25.632) R61.2 ; v1(8.661,-24.596) R22.2 ; v1(11.268,23.517) R43.2 ; v1(14.732,-21.517) R16.2 ; v1(16.971,19.799) R55.2 ; v1(19.799,-16.971) R10.2 ; v1(21.517,14.732) R13.2 ; v1(24.596,8.661) R34.2 ; v1(25.632,-4.797) R31.2 ; v1(26,2) R46.2
  Top Layer w0.5: v1(-8.661,24.596) -8,23.935 Q1.4
  Bottom Layer w0.5: v1(-8.661,24.596) ccw(c0,0) v1(-14.732,21.517) ccw(c0,0) v1(-19.799,16.971) ccw(c0,0) v1(-23.517,11.268) ccw(c0,0) v1(-25.632,4.797) ccw(c0,0) v1(-26,-2) ccw(c0,0) v1(-24.596,-8.661) ccw(c0,0) -21.517,-14.732 ccw(c0,0) v1(-16.971,-19.799) ccw(c0,0) v1(-11.268,-23.517) ccw(c0,0) v1(-4.797,-25.632) ccw(c0,0) v1(2,-26) ccw(c0,0) v1(8.661,-24.596) ccw(c0,0) v1(14.732,-21.517) ccw(c0,0) v1(19.799,-16.971) ccw(c0,0) 23.517,-11.268 ccw(c0,0) v1(25.632,-4.797) ccw(c0,0) v1(26,2) ccw(c0,0) v1(24.596,8.661) ccw(c0,0) v1(21.517,14.732) ccw(c0,0) v1(16.971,19.799) ccw(c0,0) v1(11.268,23.517) ccw(c0,0) v1(4.797,25.632)
NetD1_2: D1.2 R3.1 | length 1.8
  Top Layer w0.15: D1.2 R3.1
NetD1_4: D1.4 R2.1 | length 1.8
  Top Layer w0.15: D1.4 R2.1
NetD1_6: D1.6 R1.1 | length 1.8
  Top Layer w0.15: D1.6 R1.1
NetD2_2: D2.2 R6.1 | length 1.8
  Top Layer w0.15: D2.2 R6.1
NetD2_4: D2.4 R5.1 | length 1.8
  Top Layer w0.15: D2.4 R5.1
NetD2_6: D2.6 R4.1 | length 1.8
  Top Layer w0.15: D2.6 R4.1
NetD3_2: D3.2 R9.1 | length 1.8
  Top Layer w0.15: D3.2 R9.1
NetD3_4: D3.4 R8.1 | length 1.8
  Top Layer w0.15: D3.4 R8.1
NetD3_6: D3.6 R7.1 | length 1.8
  Top Layer w0.15: D3.6 R7.1
NetD4_2: D4.2 R12.1 | length 1.8
  Top Layer w0.15: R12.1 D4.2
NetD4_4: D4.4 R11.1 | length 1.8
  Top Layer w0.15: R11.1 D4.4
NetD4_6: D4.6 R10.1 | length 1.8
  Top Layer w0.15: R10.1 D4.6
NetD5_2: D5.2 R15.1 | length 1.8
  Top Layer w0.15: R15.1 D5.2
NetD5_4: D5.4 R14.1 | length 1.8
  Top Layer w0.15: R14.1 D5.4
NetD5_6: D5.6 R13.1 | length 1.8
  Top Layer w0.15: R13.1 D5.6
NetD6_2: D6.2 R18.1 | length 1.8
  Top Layer w0.15: R18.1 D6.2
NetD6_4: D6.4 R17.1 | length 1.8
  Top Layer w0.15: R17.1 D6.4
NetD6_6: D6.6 R16.1 | length 1.8
  Top Layer w0.15: R16.1 D6.6
NetD7_2: D7.2 R21.1 | length 1.8
  Top Layer w0.15: D7.2 R21.1
NetD7_4: D7.4 R20.1 | length 1.8
  Top Layer w0.15: D7.4 R20.1
NetD7_6: D7.6 R19.1 | length 1.8
  Top Layer w0.15: D7.6 R19.1
NetD8_2: D8.2 R24.1 | length 1.8
  Top Layer w0.15: R24.1 D8.2
NetD8_4: D8.4 R23.1 | length 1.8
  Top Layer w0.15: R23.1 D8.4
NetD8_6: D8.6 R22.1 | length 1.8
  Top Layer w0.15: R22.1 D8.6
NetD9_2: D9.2 R27.1 | length 1.8
  Top Layer w0.15: R27.1 D9.2
NetD9_4: D9.4 R26.1 | length 1.8
  Top Layer w0.15: D9.4 R26.1
NetD9_6: D9.6 R25.1 | length 1.8
  Top Layer w0.15: D9.6 R25.1
NetD10_2: D10.2 R30.1 | length 1.8
  Top Layer w0.15: D10.2 R30.1
NetD10_4: D10.4 R29.1 | length 1.8
  Top Layer w0.15: D10.4 R29.1
NetD10_6: D10.6 R28.1 | length 1.8
  Top Layer w0.15: D10.6 R28.1
NetD11_2: D11.2 R33.1 | length 1.8
  Top Layer w0.15: R33.1 D11.2
NetD11_4: D11.4 R32.1 | length 1.8
  Top Layer w0.15: R32.1 D11.4
NetD11_6: D11.6 R31.1 | length 1.8
  Top Layer w0.15: R31.1 D11.6
NetD12_2: D12.2 R36.1 | length 1.8
  Top Layer w0.15: R36.1 D12.2
NetD12_4: D12.4 R35.1 | length 1.8
  Top Layer w0.15: R35.1 D12.4
NetD12_6: D12.6 R34.1 | length 1.8
  Top Layer w0.15: R34.1 D12.6
NetD13_2: D13.2 R39.1 | length 1.8
  Top Layer w0.15: D13.2 R39.1
NetD13_4: D13.4 R38.1 | length 1.8
  Top Layer w0.15: D13.4 R38.1
NetD13_6: D13.6 R37.1 | length 1.8
  Top Layer w0.15: D13.6 R37.1
NetD14_2: D14.2 R42.1 | length 1.8
  Top Layer w0.15: D14.2 R42.1
NetD14_4: D14.4 R41.1 | length 1.8
  Top Layer w0.15: D14.4 R41.1
NetD14_6: D14.6 R40.1 | length 1.8
  Top Layer w0.15: D14.6 R40.1
NetD15_2: D15.2 R45.1 | length 1.8
  Top Layer w0.15: R45.1 D15.2
NetD15_4: D15.4 R44.1 | length 1.8
  Top Layer w0.15: R44.1 D15.4
NetD15_6: D15.6 R43.1 | length 1.8
  Top Layer w0.15: R43.1 D15.6
NetD16_2: D16.2 R48.1 | length 1.8
  Top Layer w0.15: R48.1 D16.2
NetD16_4: D16.4 R47.1 | length 1.8
  Top Layer w0.15: R47.1 D16.4
NetD16_6: D16.6 R46.1 | length 1.8
  Top Layer w0.15: R46.1 D16.6
NetD17_2: D17.2 R51.1 | length 1.8
  Top Layer w0.15: D17.2 R51.1
NetD17_4: D17.4 R50.1 | length 1.8
  Top Layer w0.15: D17.4 R50.1
NetD17_6: D17.6 R49.1 | length 1.8
  Top Layer w0.15: D17.6 R49.1
NetD18_2: D18.2 R54.1 | length 1.8
  Top Layer w0.15: D18.2 R54.1
NetD18_4: D18.4 R53.1 | length 1.8
  Top Layer w0.15: D18.4 R53.1
NetD18_6: D18.6 R52.1 | length 1.8
  Top Layer w0.15: D18.6 R52.1
NetD19_2: D19.2 R57.1 | length 1.8
  Top Layer w0.15: R57.1 D19.2
NetD19_4: D19.4 R56.1 | length 1.8
  Top Layer w0.15: R56.1 D19.4
NetD19_6: D19.6 R55.1 | length 1.8
  Top Layer w0.15: R55.1 D19.6
NetD20_2: D20.2 R60.1 | length 1.8
  Top Layer w0.15: D20.2 R60.1
NetD20_4: D20.4 R59.1 | length 1.8
  Top Layer w0.15: D20.4 R59.1
NetD20_6: D20.6 R58.1 | length 1.8
  Top Layer w0.15: D20.6 R58.1
NetD21_2: D21.2 R63.1 | length 1.8
  Top Layer w0.15: R63.1 D21.2
NetD21_4: D21.4 R62.1 | length 1.8
  Top Layer w0.15: R62.1 D21.4
NetD21_6: D21.6 R61.1 | length 1.8
  Top Layer w0.15: R61.1 D21.6
NetL1_1: L1.1 U2.5
NetQ1_1: Q1.1 R64.2 | length 3.9
  Top Layer w0.3: Q1.1 -10.28,10.597 -9.683,10 R64.2
NetQ2_1: Q2.1 R65.2 | length 3.9
  Top Layer w0.3: Q2.1 5.72,10.597 6.317,10 R65.2
NetQ3_1: Q3.1 R67.2 | length 3.9
  Top Layer w0.3: Q3.1 -2.28,10.597 -1.683,10 R67.2
NetR66_1: R66.1 SW1.1 SW1.2 U1.8 | length 18.2
  Top Layer w0.3: U1.8 11.61,3.89 ; SW1.2 14.25,6.53 11.61,3.89 ; R66.1 15.23,-0.73 14.25,0.25 SW1.1 12.975,2.525 11.61,3.89
RST: J2.3 U1.15 | length 26.4
  Top Layer w0.3: J2.3 -17.551,15.392 -18.466,14.478 -18.466,9.754 -17.196,8.484 -14.834,8.484 -13.335,6.985 -13.335,1.93 -9.295,-2.11 U1.15
RX: J2.2 U1.11 | length 14.6
  Top Layer w0.3: J2.2 -14.097,12.852 -11.76,10.516 -11.76,5.944 -9.707,3.89 U1.11
TX: J2.1 U1.12 | length 13.9
  Top Layer w0.3: J2.1 -13.411,10.312 -12.446,9.347 -12.446,5.182 -9.654,2.39 U1.12
pads on no net: J1.2 J1.3 J1.4 U1.7 U1.10 U1.14 U1.16 U1.17

## Polygon pours and split planes (outlines as drawn)
GND on Top Layer "NONET_L02_P-001" (solid, remove dead copper, pour order 0): -49,43.5 48,43.5 48,-47.5 -49,-47.5
GND on Bottom Layer "NONET_L02_P-001" (solid, remove dead copper, pour order 1): -47,45.5 -47,-49 52,-49 52,45.5

## Keep-outs
Keep-Out Layer:
  circle w0.025: c0,0 r42

## Other copper
Top Layer:
  region net 5V: 9.15,-18.3 9.15,-19.35 9,-19.5 8.05,-19.5 7.85,-19.3 7.85,-18.3 6.6,-18.3 6.075,-17.775 4.925,-17.775 4.925,-19.925 5.5,-20.5 9,-20.5 9.75,-19.75 9.75,-18.3
  region net NetL1_1: 7.85,-16.7 7.85,-11.5 6.3,-11.5 6.3,-14.75 7.25,-15.7 7.25,-16.7
  region net 3V3: 9.15,-16.7 10.4,-16.7 10.925,-17.225 12.075,-17.225 12.075,-15.775 10.7,-14.4 10.7,-11.5 9.15,-11.5

## Silkscreen, mask and mechanical layers (free items; w line width, h text height)
Top Overlay:
  text "Wi-Fi Night Light" at -26.133,-13.161 h4
  text "Rev. A" at -26.133,-15.359 h1.5
  text "Designed by Judd Foster / Drawn by Alyssa Balovnev" at -26.133,-18.304 h1
Bottom Overlay:
  drawing of 1023 lines, arcs and shapes, not listed

## Text inside footprints (layer, text, board x,y; h text height)
U1: Top Overlay "ESP-WROOM-02U" at -5.283,-4.632 h1; Top Overlay "ESPRESSIF" at -4.724,2.937 h1.5